# Altium PCB LightLink_V3.PcbDoc (part 4 of 4)
Units mm, origin at the board's own origin, x right, y up, seen from the top; angles counter-clockwise.
Board outline 142 x 100 mm, 6 copper layers (Top Layer, GND, PWR, BRIDGE_1, BRIDGE_2, Bottom Layer), stack 0.816 mm thick; 380 components, 269 nets, 1515 pads, 309 vias.
Unrouted connection lines stored in the file: 109.
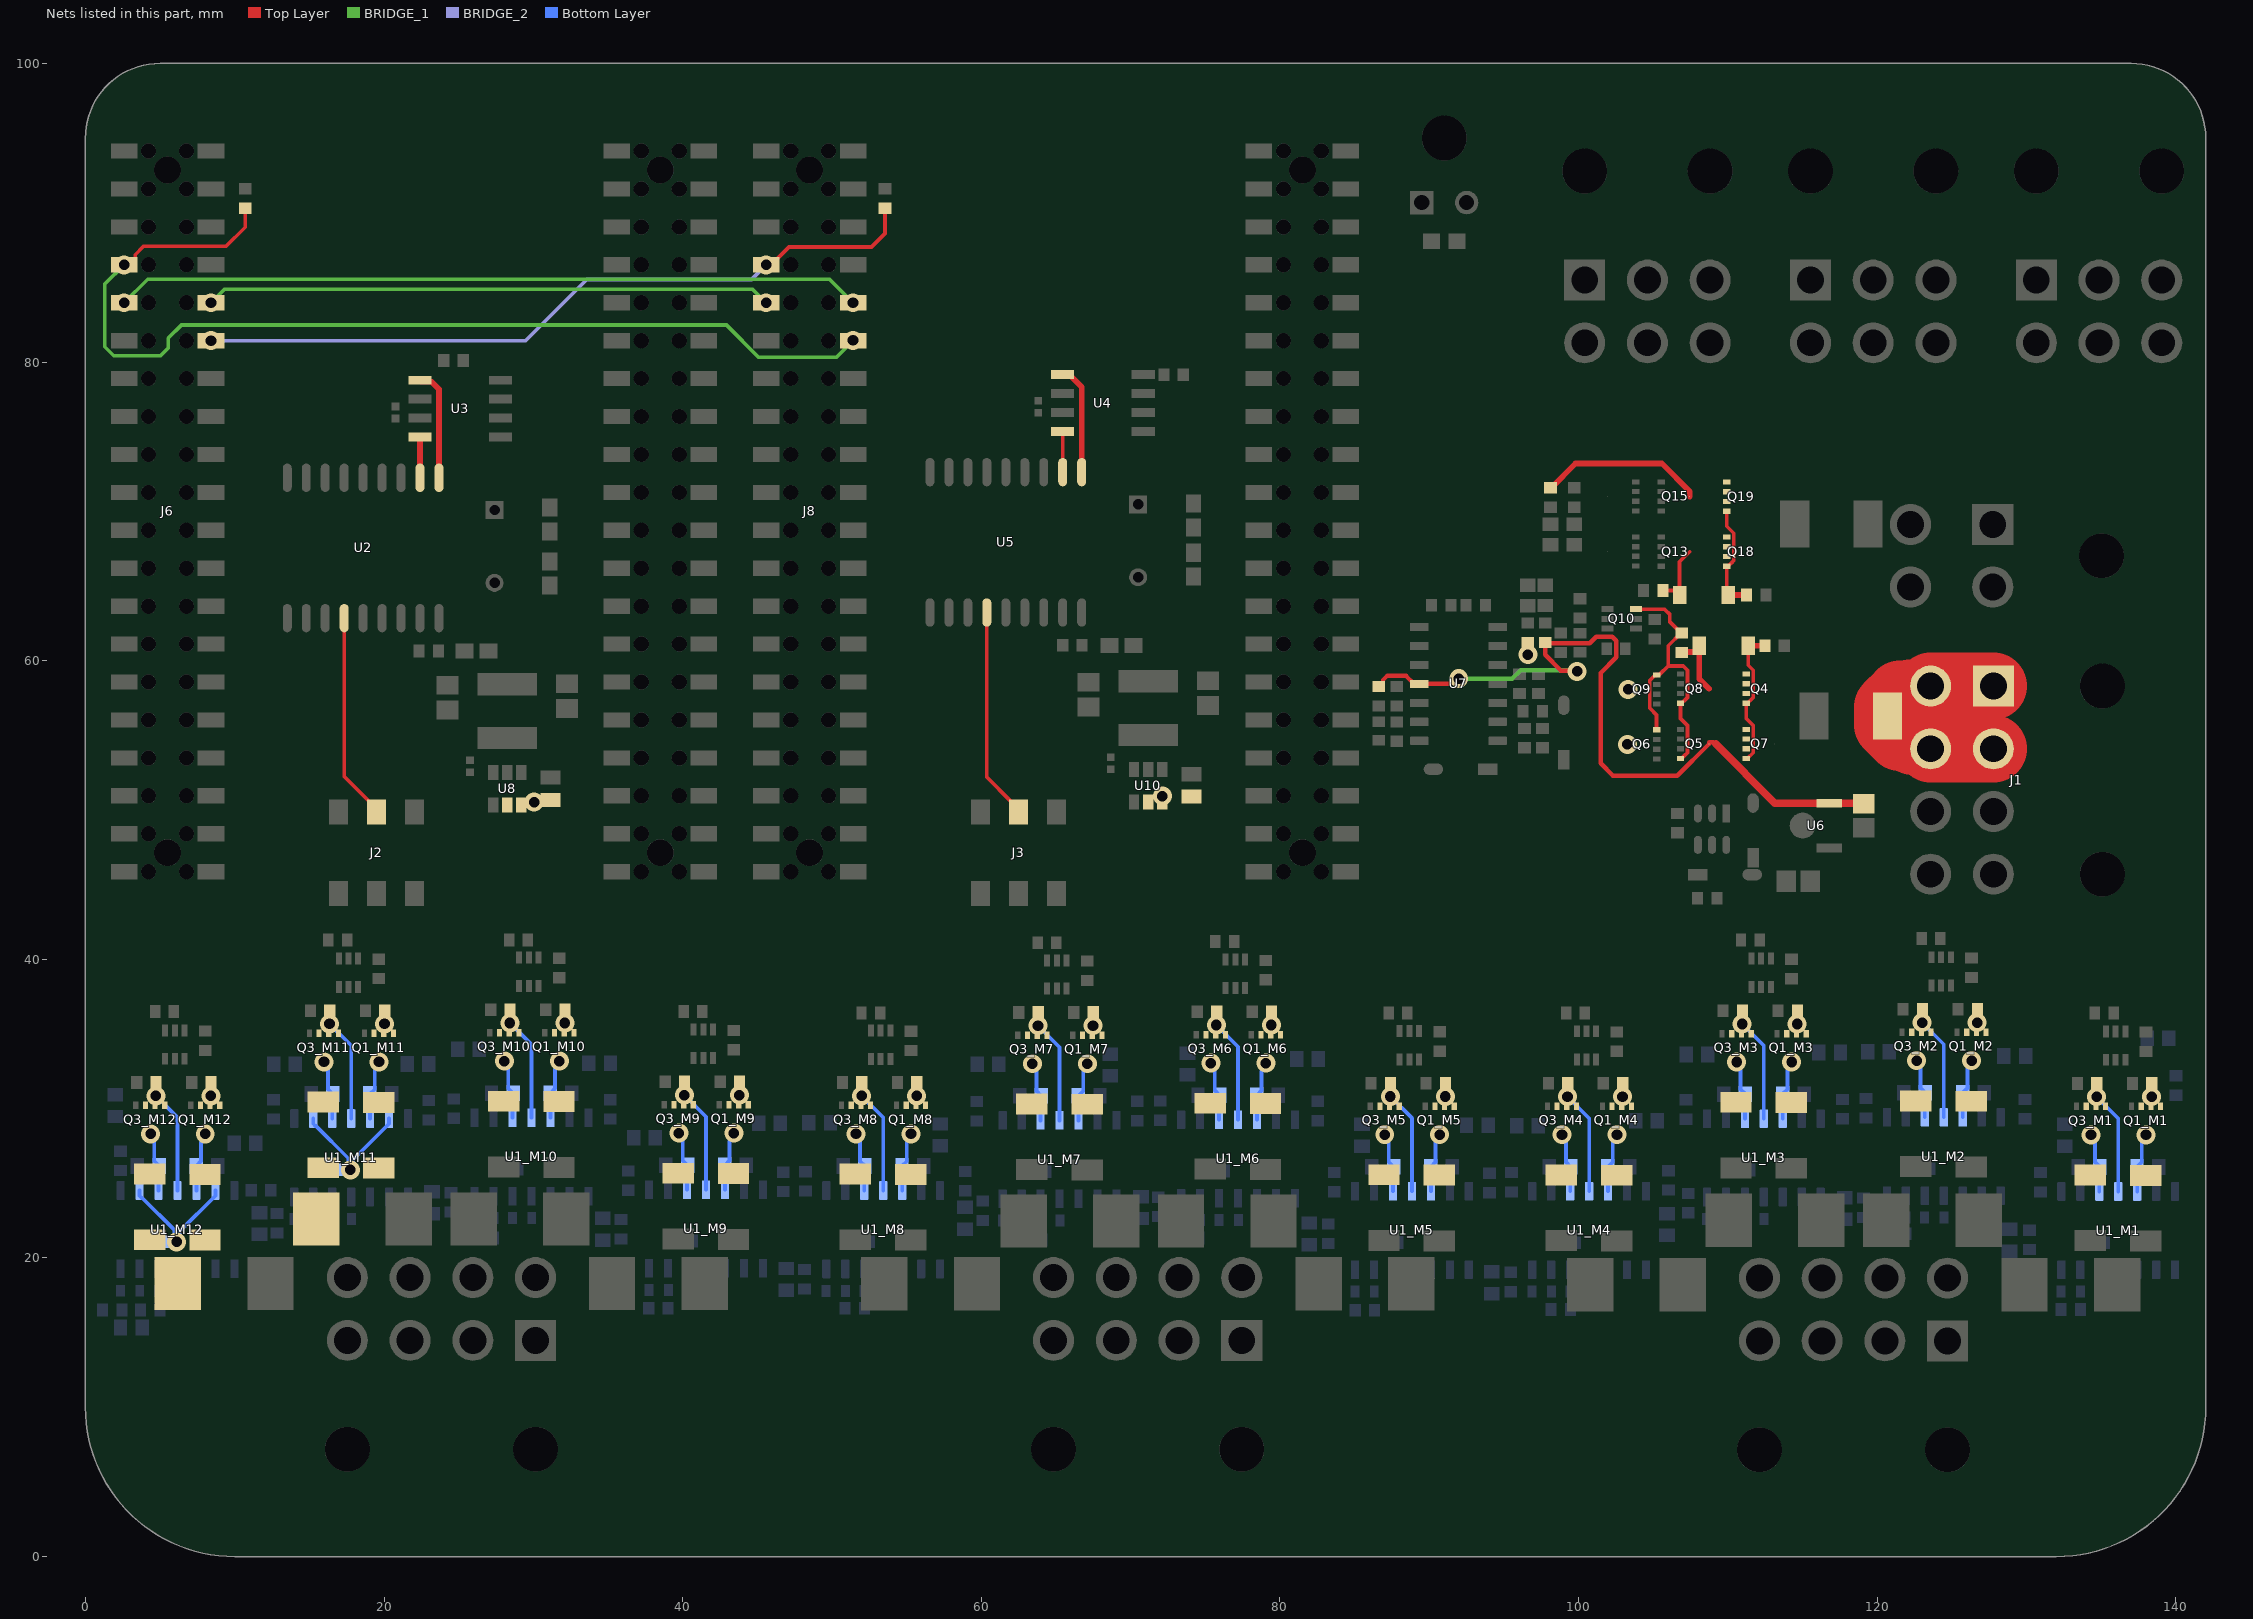
[diagram p8: the nets of this part, all layers, seen from the top]

## Via types
v1: diameter 1.27, hole 0.711, Top Layer to Bottom Layer, 305 vias
v2: diameter 4, hole 3.2, Top Layer to Bottom Layer, 4 vias

## Nets (pads, with @x,y where several pads share a name; then routed paths per layer and width w, separated by ;. In a path a pad name is that pad's centre, name@x,y a point inside that pad or via, vN(x,y) a via of type N, cw(c..) or ccw(c..) an arc to the next point about the centre after c; other vN are vias at no path point) (continued)
POST_SENSE_M11: D1_M11.1 D2_M11.1 R3_M11.2 R6_M11.1 U1_M11.2 U1_M11.6 | length 9
  Bottom Layer w0.254: U1_M11.2@15.259,29.336 15.259,28.986 15.407,28.838 15.443,28.838 17.601,26.68 17.601,26.045 v1(17.748,25.898) 17.943,26.092 17.943,26.589 20.339,28.986 U1_M11.6@20.339,29.336
POST_SENSE_M12: D1_M12.1 D2_M12.1 R3_M12.2 R6_M12.1 U1_M12.2 U1_M12.6 | length 9
  Bottom Layer w0.254: U1_M12.2@3.626,24.52 3.626,24.17 3.774,24.022 3.81,24.022 5.968,21.864 5.968,21.229 v1(6.115,21.082) 6.309,21.276 6.309,21.773 8.706,24.17 U1_M12.6@8.706,24.52
PRE_12V: D4.1 Q13.5-6-7-8 Q15.5-6-7-8 Q18.1 Q18.2 Q18.3 Q19.1 Q19.2 Q19.3 R40.1 R41.1 | length 15.5
  Top Layer w0.254: R40.1@105.65,64.7 106.465,64.7 D4.1@106.765,64.4 106.765,66.625 Q13.5-6-7-8@107.44,67.3
  Top Layer w0.381: R41.1@98.114,71.575 98.164,71.575 99.789,73.2 105.575,73.2 107.44,71.335 Q15.5-6-7-8@107.44,71
PRE_VCC: C6.1 D3.1 Q4.1 Q4.2 Q4.3 Q5.5-6-7-8 Q7.1 Q7.2 Q7.3 Q8.5-6-7-8 R21.1 R23.1 R32.2 U6.3 U7.4 | length 56.6
  Top Layer w0.3: R32.2@86.625,58.261 86.675,58.261 86.9,58.486 86.9,58.706 87.173,58.979 88.446,58.979 88.98,58.445 U7.4@89.33,58.445 91.355,58.445 91.711,58.801 v1(91.973,58.801) ; R23.1@97.759,61.22 R23.1@97.759,61.164 ; v1(99.898,59.284) 99.841,59.341 98.813,59.341 97.759,60.395 R23.1@97.759,61.164 ; Q5.5-6-7-8@108.735,54.425 106.61,52.3 102.3,52.3 101.475,53.125 101.475,59.175 102.525,60.225 102.525,61.325 102.25,61.6 101.175,61.6 100.739,61.164 R23.1@97.759,61.164 ; 108.75,54.55 109.012,54.55 109.304,54.259 ; C6.1@119.053,50.459 C6.1@119.101,50.412
  Top Layer w0.381: R21.1@106.9,60.55 106.93,60.58 107.825,60.58 D3.1@108.09,60.845 ; D3.1@108.09,61 D3.1@108.09,60.845 ; Q8.5-6-7-8@108.735,58.125 108.09,58.77 D3.1@108.09,60.845
  Top Layer w0.5: 109.176,54.425 113.142,50.459 U6.3@116.791,50.459 C6.1@119.053,50.459
  BRIDGE_1 w0.3: v1(91.973,58.801) 95.565,58.801 96.121,59.357 99.824,59.357 v1(99.898,59.284)
PWR_IN: F1.1 J1.1 J1.2 J1.5 J1.6 | length 16.6
  Top Layer w4.5: J1.2@127.777,54.1 J1.6@123.577,54.1 123.099,54.578 122.402,54.578 122.128,54.852 121.533,54.852 120.68,55.705 F1.1@120.68,56.3 120.68,56.895 121.533,57.748 122.128,57.748 122.202,57.822 123.099,57.822 J1.5@123.577,58.3 J1.1@127.777,58.3
PWR_MOSFET: Q5.4 Q6.4 Q8.4 Q9.4 Q10.6 R21.2 | length 19.7
  Top Layer w0.254: Q10.6@103.85,63.45 105.75,63.45 106.111,63.089 106.111,62.589 R21.2@106.85,61.85 ; Q6.4@105.225,55.371 105.225,56.37 104.759,56.836 104.759,58.664 105.097,59.002 105.177,59.002 Q9.4@105.225,59.05 ; Q9.4@105.225,59.098 105.448,59.098 106,59.65 ; Q5.4@106.825,53.45 106.9,53.45 107.128,53.678 107.133,53.678 107.291,53.836 107.291,55.664 106.825,56.13 Q8.4@106.825,57.15 106.9,57.15 107.128,57.378 107.133,57.378 107.291,57.536 107.291,59.364 107.005,59.65 106,59.65 ; R21.2@106.9,61.85 R21.2@106.85,61.85 ; 106,59.65 106,61 R21.2@106.85,61.85
RP_MOS_LINK: D3.2 Q4.4 Q7.4 R20.1 | length 9.5
  Top Layer w0.254: Q7.4@111.225,53.45 111.273,53.498 111.353,53.498 111.691,53.836 111.691,55.664 111.225,56.13 Q4.4@111.225,57.15 111.3,57.15 111.528,57.378 111.533,57.378 111.691,57.536 111.691,59.364 111.36,59.695 D3.2@111.36,61
  Top Layer w0.381: D3.2@111.36,61 R20.1@112.475,61
RP_MOS_LINK_12V: D4.2 Q18.4 Q19.4 R30.1 | length 7.3
  Top Layer w0.254: Q19.4@109.925,70.012 109.925,69.005 110.391,68.539 110.391,66.711 110.233,66.553 110.228,66.553 110,66.325 Q18.4@109.925,66.325 109.925,64.51 D4.2@110.035,64.4
  Top Layer w0.381: D4.2@110.035,64.4 R30.1@111.25,64.4
RST_1: J6.7 J8.12 R12.1 | length 69.6
  Top Layer w0.254: v1(2.59,86.51) 2.97,86.51 3.34,86.88 3.34,87.19 3.9,87.75 9.425,87.75 10.7,89.025 R12.1@10.7,90.3
  BRIDGE_1 w0.254: v1(2.59,86.51) 1.3,85.22 1.3,81.025 1.9,80.425 5.025,80.425 5.55,80.95 5.55,81.6 6.425,82.475 42.925,82.475 45.075,80.325 50.305,80.325 51.41,81.43 v1(51.41,81.458)
RST_2: J6.12 J8.7 R11.1 | length 49.9
  Top Layer w0.254: v1(45.59,86.51) J8.7@45.97,86.51 ; J8.7@45.935,86.51 J8.7@45.97,86.51 ; R11.1@53.55,90.3 53.55,88.6 52.65,87.7 47.125,87.7 46.353,86.928 46.353,86.893 J8.7@45.97,86.51
  BRIDGE_2 w0.254: v1(8.41,81.43) 29.48,81.43 33.575,85.525 44.605,85.525 v1(45.59,86.51)
RX: J6.10 J8.9 | length 37.9
  BRIDGE_1 w0.254: v1(8.41,83.97) 9.315,84.875 44.685,84.875 v1(45.59,83.97)
RXD_1: U2.2 U3.4 | length 2.7
  Top Layer w0.254: U3.4@22.4,74.97 U3.4@22.41,74.96
  Top Layer w0.381: U2.2@22.41,72.25 U3.4@22.41,74.96
RXD_2: U4.4 U5.2 | length 2.7
  Top Layer w0.254: U4.4@65.44,75.345 65.45,75.335 U5.2@65.45,72.625
SCK_1: J2.04 U2.13 | length 13.9
  Top Layer w0.254: U2.13@17.33,62.85 17.33,52.245 18.992,50.583 18.992,50.368 J2.04@19.5,49.86
SCK_2: J3.04 U5.13 | length 14.2
  Top Layer w0.254: U5.13@60.37,63.225 60.37,52.195 61.992,50.573 61.992,50.368 J3.04@62.5,49.86
SENSE_1_M1: D1_M1.2 Q1_M1.5-6-7-8 R37_M1.2 U1_M1.5 | length 4
  Bottom Layer w0.254: U1_M1.5@137.41,24.455 137.41,26.084 R37_M1.2@137.396,26.098 137.719,26.421 137.719,27.691 138.001,27.973 v1(138.001,28.248)
SENSE_1_M2: D1_M2.2 Q1_M2.5-6-7-8 R37_M2.2 U1_M2.5 | length 4
  Bottom Layer w0.254: U1_M2.5@125.726,29.417 125.726,31.046 R37_M2.2@125.712,31.059 126.035,31.382 126.035,32.652 126.317,32.934 v1(126.317,33.209)
SENSE_1_M3: D1_M3.2 Q1_M3.5-6-7-8 R37_M3.2 U1_M3.5 | length 4
  Bottom Layer w0.254: U1_M3.5@113.674,29.328 113.674,30.957 R37_M3.2@113.661,30.971 113.984,31.294 113.984,32.564 114.266,32.846 v1(114.266,33.121)
SENSE_1_M4: D1_M4.2 Q1_M4.5-6-7-8 R37_M4.2 U1_M4.5 | length 4
  Bottom Layer w0.254: U1_M4.5@101.977,24.464 101.977,26.093 R37_M4.2@101.963,26.106 102.286,26.429 102.286,27.699 102.568,27.981 v1(102.568,28.256)
SENSE_1_M5: D1_M5.2 Q1_M5.5-6-7-8 R37_M5.2 U1_M5.5 | length 4
  Bottom Layer w0.254: U1_M5.5@90.108,24.47 90.108,26.098 R37_M5.2@90.095,26.112 90.418,26.435 90.418,27.705 90.7,27.987 v1(90.7,28.262)
SENSE_1_M6: D1_M6.2 Q1_M6.5-6-7-8 R37_M6.2 U1_M6.5 | length 4
  Bottom Layer w0.254: U1_M6.5@78.463,29.257 78.463,30.885 R37_M6.2@78.449,30.899 78.772,31.222 78.772,32.492 79.054,32.774 v1(79.054,33.049)
SENSE_1_M7: D1_M7.2 Q1_M7.5-6-7-8 R37_M7.2 U1_M7.5 | length 4
  Bottom Layer w0.254: U1_M7.5@66.512,29.214 66.512,30.843 R37_M7.2@66.498,30.856 66.821,31.179 66.821,32.449 67.103,32.731 v1(67.103,33.006)
SENSE_1_M8: D1_M8.2 Q1_M8.5-6-7-8 R37_M8.2 U1_M8.5 | length 4
  Bottom Layer w0.254: U1_M8.5@54.701,24.515 54.701,26.144 R37_M8.2@54.687,26.157 55.01,26.48 55.01,27.75 55.292,28.032 v1(55.292,28.307)
SENSE_1_M9: D1_M9.2 Q1_M9.5-6-7-8 R37_M9.2 U1_M9.5 | length 4
  Bottom Layer w0.254: U1_M9.5@42.831,24.568 42.831,26.196 R37_M9.2@42.817,26.21 43.141,26.533 43.141,27.803 43.422,28.085 v1(43.422,28.36)
SENSE_1_M10: D1_M10.2 Q1_M10.5-6-7-8 R37_M10.2 U1_M10.5 | length 4
  Bottom Layer w0.254: U1_M10.5@31.147,29.394 31.147,31.022 R37_M10.2@31.133,31.036 31.457,31.359 31.457,32.629 31.738,32.911 v1(31.738,33.186)
SENSE_1_M11: D1_M11.2 Q1_M11.5-6-7-8 R37_M11.2 U1_M11.5 | length 4
  Bottom Layer w0.254: U1_M11.5@19.069,29.336 19.069,30.964 R37_M11.2@19.055,30.978 19.378,31.301 19.378,32.571 19.66,32.853 v1(19.66,33.128)
SENSE_1_M12: D1_M12.2 Q1_M12.5-6-7-8 R37_M12.2 U1_M12.5 | length 4
  Bottom Layer w0.254: U1_M12.5@7.436,24.52 7.436,26.148 R37_M12.2@7.422,26.162 7.745,26.485 7.745,27.755 8.027,28.037 v1(8.027,28.312)
SENSE_2_M1: D2_M1.2 Q3_M1.5-6-7-8 R36_M1.2 U1_M1.3 | length 4.1
  Bottom Layer w0.254: v1(134.318,28.248) 134.318,27.973 134.586,27.705 134.586,26.421 R36_M1.2@134.909,26.098 134.87,26.058 U1_M1.3@134.87,24.455
SENSE_2_M2: D2_M2.2 Q3_M2.5-6-7-8 R36_M2.2 U1_M2.3 | length 4.1
  Bottom Layer w0.254: v1(122.634,33.209) 122.634,32.934 122.902,32.666 122.902,31.382 R36_M2.2@123.225,31.059 123.186,31.02 U1_M2.3@123.186,29.417
SENSE_2_M3: D2_M3.2 Q3_M3.5-6-7-8 R36_M3.2 U1_M3.3 | length 4.1
  Bottom Layer w0.254: v1(110.583,33.121) 110.583,32.846 110.851,32.578 110.851,31.294 R36_M3.2@111.174,30.971 111.134,30.931 U1_M3.3@111.134,29.328
SENSE_2_M4: D2_M4.2 Q3_M4.5-6-7-8 R36_M4.2 U1_M4.3 | length 4.1
  Bottom Layer w0.254: v1(98.885,28.256) 98.885,27.981 99.153,27.713 99.153,26.429 R36_M4.2@99.476,26.106 99.437,26.067 U1_M4.3@99.437,24.464
SENSE_2_M5: D2_M5.2 Q3_M5.5-6-7-8 R36_M5.2 U1_M5.3 | length 4.1
  Bottom Layer w0.254: v1(87.017,28.262) 87.017,27.987 87.285,27.719 87.285,26.435 R36_M5.2@87.608,26.112 87.568,26.073 U1_M5.3@87.568,24.47
SENSE_2_M6: D2_M6.2 Q3_M6.5-6-7-8 R36_M6.2 U1_M6.3 | length 4.1
  Bottom Layer w0.254: v1(75.371,33.049) 75.371,32.774 75.639,32.506 75.639,31.222 R36_M6.2@75.962,30.899 75.923,30.86 U1_M6.3@75.923,29.257
SENSE_2_M7: D2_M7.2 Q3_M7.5-6-7-8 R36_M7.2 U1_M7.3 | length 4.1
  Bottom Layer w0.254: v1(63.42,33.006) 63.42,32.731 63.688,32.463 63.688,31.179 R36_M7.2@64.011,30.856 63.972,30.817 U1_M7.3@63.972,29.214
SENSE_2_M8: D2_M8.2 Q3_M8.5-6-7-8 R36_M8.2 U1_M8.3 | length 4.1
  Bottom Layer w0.254: v1(51.609,28.307) 51.609,28.032 51.877,27.764 51.877,26.48 R36_M8.2@52.2,26.157 52.161,26.118 U1_M8.3@52.161,24.515
SENSE_2_M9: D2_M9.2 Q3_M9.5-6-7-8 R36_M9.2 U1_M9.3 | length 4.1
  Bottom Layer w0.254: v1(39.739,28.36) 39.739,28.085 40.007,27.817 40.007,26.533 R36_M9.2@40.33,26.21 40.291,26.171 U1_M9.3@40.291,24.568
SENSE_2_M10: D2_M10.2 Q3_M10.5-6-7-8 R36_M10.2 U1_M10.3 | length 4.1
  Bottom Layer w0.254: v1(28.055,33.186) 28.055,32.911 28.323,32.643 28.323,31.359 R36_M10.2@28.646,31.036 28.607,30.997 U1_M10.3@28.607,29.394
SENSE_2_M11: D2_M11.2 Q3_M11.5-6-7-8 R36_M11.2 U1_M11.3 | length 4.1
  Bottom Layer w0.254: v1(15.977,33.128) 15.977,32.853 16.245,32.585 16.245,31.301 R36_M11.2@16.568,30.978 16.529,30.939 U1_M11.3@16.529,29.336
SENSE_2_M12: D2_M12.2 Q3_M12.5-6-7-8 R36_M12.2 U1_M12.3 | length 4
  Bottom Layer w0.254: v1(4.374,28.312) 4.374,28.037 4.612,27.799 4.612,26.485 R36_M12.2@4.935,26.162 4.896,26.123 U1_M12.3@4.896,24.52
TX: J6.9 J8.10 | length 50.1
  BRIDGE_1 w0.254: v1(2.59,83.97) 4.17,85.55 49.83,85.55 v1(51.41,83.97)
TXD_1: U2.1 U3.1 | length 7.5
  Top Layer w0.381: U3.1@22.4,78.78 22.51,78.671 23.19,78.671 23.68,78.18 U2.1@23.68,72.25
TXD_2: U4.1 U5.1 | length 7.3
  Top Layer w0.381: U4.1@65.44,79.155 65.915,79.155 66.024,79.045 66.024,79.026 66.72,78.33 U5.1@66.72,72.625
VCC: C12.1 C17.1 Q1_M1.1 Q1_M1.2 Q1_M1.3 Q1_M2.1 Q1_M2.2 Q1_M2.3 Q1_M3.1 Q1_M3.2 Q1_M3.3 Q1_M4.1 Q1_M4.2 Q1_M4.3 Q1_M5.1 Q1_M5.2 Q1_M5.3 Q1_M6.1 Q1_M6.2 Q1_M6.3 Q1_M7.1 Q1_M7.2 Q1_M7.3 Q1_M8.1 Q1_M8.2 Q1_M8.3 Q1_M9.1 Q1_M9.2 Q1_M9.3 Q1_M10.1 Q1_M10.2 Q1_M10.3 Q1_M11.1 Q1_M11.2 Q1_M11.3 Q1_M12.1 Q1_M12.2 Q1_M12.3 Q3_M1.1 Q3_M1.2 Q3_M1.3 Q3_M2.1 Q3_M2.2 Q3_M2.3 Q3_M3.1 Q3_M3.2 Q3_M3.3 Q3_M4.1 Q3_M4.2 Q3_M4.3 Q3_M5.1 Q3_M5.2 Q3_M5.3 Q3_M6.1 Q3_M6.2 Q3_M6.3 Q3_M7.1 Q3_M7.2 Q3_M7.3 Q3_M8.1 Q3_M8.2 Q3_M8.3 Q3_M9.1 Q3_M9.2 Q3_M9.3 Q3_M10.1 Q3_M10.2 Q3_M10.3 Q3_M11.1 Q3_M11.2 Q3_M11.3 Q3_M12.1 Q3_M12.2 Q3_M12.3 Q6.5-6-7-8 Q9.5-6-7-8 R7_M1.2 R7_M2.2 R7_M3.2 R7_M4.2 R7_M5.2 R7_M6.2 R7_M7.2 R7_M8.2 R7_M9.2 R7_M10.2 R7_M11.2 R7_M12.2 R8_M1.2 R8_M2.2 R8_M3.2 R8_M4.2 R8_M5.2 R8_M6.2 R8_M7.2 R8_M8.2 R8_M9.2 R8_M10.2 R8_M11.2 R8_M12.2 R24.1 U1_M1.4 U1_M2.4 U1_M3.4 U1_M4.4 U1_M5.4 U1_M6.4 U1_M7.4 U1_M8.4 U1_M9.4 U1_M10.4 U1_M11.4 U1_M12.4 U8.2 U8.3 U10.2 U10.3 | length 83.3
  Bottom Layer w0.254: v1(4.718,30.861) 6.166,29.413 U1_M12.4@6.166,24.52 ; v1(16.351,35.677) 17.799,34.229 U1_M11.4@17.799,29.336 ; v1(28.429,35.735) 29.877,34.287 U1_M10.4@29.877,29.394 ; v1(40.113,30.909) 41.561,29.461 U1_M9.4@41.561,24.568 ; v1(51.983,30.856) 53.431,29.409 U1_M8.4@53.431,24.515 ; v1(63.794,35.555) 65.242,34.108 U1_M7.4@65.242,29.214 ; v1(75.745,35.598) 77.193,34.15 U1_M6.4@77.193,29.257 ; v1(87.391,30.811) 88.838,29.363 U1_M5.4@88.838,24.47 ; v1(99.259,30.805) 100.707,29.358 U1_M4.4@100.707,24.464 ; v1(110.957,35.67) 112.404,34.222 U1_M3.4@112.404,29.328 ; v1(123.008,35.758) 124.456,34.311 U1_M2.4@124.456,29.417 ; v1(134.692,30.797) 136.14,29.349 U1_M1.4@136.14,24.455
  other v1: 138.375,30.797 91.074,30.811 102.942,30.805 8.401,30.861 55.666,30.856 43.796,30.909 67.477,35.555 79.428,35.598 114.64,35.67 20.034,35.677 32.112,35.735 126.691,35.758 30.05,50.525 72.125,50.925 103.265,54.396 103.315,58.075 96.596,60.401
pads on no net: J1. J2.06 J3.06 J4. J5. J6. J6.5 J6.6 J6.8 J7. J7.1 J7.2 J7.3 J7.4 J7.5 J7.6 J7.7 J7.8 J7.39 J8. J8.5 J8.6 J8.8 J9. J9.1 J9.2 J9.3 J9.4 J9.5 J9.6 J9.7 J9.8 J9.39 J10. J11. J12. J13. J14. J15. U1_M1.8 U1_M1.9 U1_M1.10 U1_M2.8 U1_M2.9 U1_M2.10 U1_M3.8 U1_M3.9 U1_M3.10 U1_M4.8 U1_M4.9 U1_M4.10 U1_M5.8 U1_M5.9 U1_M5.10 U1_M6.8 U1_M6.9 U1_M6.10 U1_M7.8 U1_M7.9 U1_M7.10 U1_M8.8 U1_M8.9 U1_M8.10 U1_M9.8 U1_M9.9 U1_M9.10 U1_M10.8 U1_M10.9 U1_M10.10 U1_M11.8 U1_M11.9 U1_M11.10 U1_M12.8 U1_M12.9 U1_M12.10 U2.3 U2.4 U2.5 U2.6 U2.10 U2.11 U2.12 U3.5 U4.5 U5.3 U5.4 U5.5 U5.6 U5.10 U5.11 U5.12 U9.5

## Polygon pours and split planes (outlines as drawn)
GND on Top Layer "GND_L01_P090" (solid, pour order 90): 0,10 0,95 cw(c5,95) 5,100 137,100 cw(c137,95) 142,95 142,10 cw(c132,10) 132,0 10,0 cw(c10,10)
SENSE_1_M5 on Top Layer "SENSE_1_M5_L01_P048" (solid, pour order 48): 89.475,29.402 89.095,28.987 89.095,28.557 89.629,24.847 91.729,24.847 92.305,28.557 92.305,28.987 91.925,29.402
SENSE_2_M10 on Top Layer "SENSE_2_M10_L01_P031" (solid, pour order 31): 29.28,34.326 29.66,33.911 29.66,33.481 29.06,29.797 26.96,29.797 26.45,33.481 26.45,33.946 26.831,34.326
SENSE_1_M11 on Top Layer "SENSE_1_M11_L01_P041" (solid, pour order 41): 18.435,34.268 18.055,33.853 18.055,33.423 18.59,29.713 20.69,29.713 21.265,33.423 21.265,33.853 20.885,34.268
SENSE_2_M11 on Top Layer "SENSE_2_M11_L01_P029" (solid, pour order 29): 17.202,34.268 17.582,33.853 17.582,33.423 16.982,29.739 14.881,29.739 14.372,33.423 14.372,33.888 14.752,34.268
SENSE_2_M12 on Top Layer "SENSE_2_M12_L01_P030" (solid, pour order 30): 5.569,29.452 5.949,29.037 5.949,28.607 5.348,24.923 3.248,24.923 2.739,28.607 2.739,29.072 3.119,29.452
SENSE_1_M1 on Top Layer "SENSE_1_M1_L01_P052" (solid, pour order 52): 136.776,29.388 136.396,28.973 136.396,28.543 136.931,24.833 139.031,24.833 139.606,28.543 139.606,28.973 139.226,29.388
POST_SENSE_M8 on Top Layer "POST_SENSE_M8_L01_P058" (solid, pour order 58): 50.513,21.918 50.513,20.493 51.633,16.408 55.203,16.408 56.322,20.493 56.322,21.893
POST_SENSE_M9 on Top Layer "POST_SENSE_M9_L01_P054" (solid, pour order 54): 38.644,21.971 38.644,20.545 39.763,16.461 43.333,16.461 44.452,20.545 44.452,21.945
POST_SENSE_M4 on Top Layer "POST_SENSE_M4_L01_P059" (solid, pour order 59): 97.789,21.867 97.789,20.442 98.909,16.357 102.479,16.357 103.598,20.442 103.598,21.842
BST_TAP_1 on Top Layer "BST_TAP_1_L01_P065" (solid, pour order 65): 27.9,52.025 27.9,53.025 26.25,54.075 26.25,55.575 30.25,55.575 30.25,54.075 28.6,53.025 28.6,52.025
VCC on Top Layer "VCC_L01_P066" (solid, pour order 66): 31.825,51.15 30.475,51.15 27.9,50.826 27.9,49.826 29.55,49.826 31.825,50.2
5V_1 on Top Layer "5V_1_L01_P067" (solid, pour order 67): 31.522,57.823 30.25,57.675 26.25,57.675 24.978,57.723 23.522,57.723 23.522,58.978 24.978,58.978 26.25,59.175 30.25,59.175 31.522,59.078 32.978,59.078 32.978,57.823
NetQ15_1 on Top Layer "NETQ15_1_L01_P080" (solid, pour order 80): 103.58,71.5 103.58,69.85 104.08,69.85 105.28,70.5 105.78,70.5 105.78,72.15 105.28,72.15 104.08,71.5
NetQ13_1 on Top Layer "NETQ13_1_L01_P079" (solid, pour order 79): 103.58,67.813 103.58,66.163 104.08,66.163 105.28,66.8 105.78,66.8 105.78,68.45 105.28,68.45 104.08,67.813
NetQ5_1 on Top Layer "NETQ5_1_L01_P078" (solid, pour order 78): 104.975,54.896 105.425,54.896 106.575,55.575 107.075,55.575 107.075,53.925 106.575,53.925 105.425,53.246 104.975,53.246
NetQ8_1 on Top Layer "NETQ8_1_L01_P077" (solid, pour order 77): 104.975,58.575 105.475,58.575 106.575,59.275 107.075,59.275 107.075,57.625 106.575,57.625 105.475,56.925 104.975,56.925
NetF2_2 on Top Layer "NETF2_2_L01_P076" (solid, pour order 76): 115.45,70.725 115.45,67.575 112.95,65.67 111.11,65.67 110.73,66.05 110.695,66.05 110.695,72.2 110.73,72.2 111.11,72.58 112.95,72.58
PRE_12V on Top Layer "PRE_12V_L01_P075" (solid, pour order 75): 106.3,72.225 109.08,72.225 110.18,72.15 110.18,70.5 109.68,70.5 109.68,68.45 110.18,68.45 110.18,66.8 109.68,66.8 109.08,66.075 106.3,66.075
PRE_VCC on Top Layer "PRE_VCC_L01_P074" (solid, pour order 74): 107.595,59.35 110.375,59.35 111.475,59.275 111.475,57.625 110.975,57.625 110.975,55.575 111.475,55.575 111.475,53.925 110.975,53.925 110.375,53.2 107.595,53.2
NetF1_2 on Top Layer "NETF1_2_L01_P071" (solid, pour order 71): 116.75,57.875 116.75,54.725 114.25,52.82 112.41,52.82 112.03,53.2 111.995,53.2 111.995,59.35 112.03,59.35 112.41,59.73 114.25,59.73
VCC on Top Layer "VCC_L01_P070" (solid, pour order 70): 74.758,51.375 73.408,51.375 70.825,51.024 70.825,50.025 72.475,50.025 74.758,50.425
BST_TAP_2 on Top Layer "BST_TAP_2_L01_P069" (solid, pour order 69): 70.825,52.224 70.825,53.224 69.175,54.275 69.175,55.775 73.175,55.775 73.175,54.275 71.525,53.224 71.525,52.224
5V_2 on Top Layer "5V_2_L01_P068" (solid, pour order 68): 74.447,58.023 73.175,57.875 69.175,57.875 67.903,57.923 66.447,57.923 66.447,59.178 67.903,59.178 69.175,59.375 73.175,59.375 74.447,59.278 75.903,59.278 75.903,58.023
POST_SENSE_M11 on Top Layer "POST_SENSE_M11_L01_P064" (solid, pour order 64): 14.881,26.739 13.911,24.391 13.911,20.821 17.011,20.821 20.69,25.313 20.69,26.713
POST_SENSE_M10 on Top Layer "POST_SENSE_M10_L01_P063" (solid, pour order 63): 26.96,26.797 26.96,25.371 30.652,20.821 33.752,20.821 33.752,24.391 32.768,26.771
VCC on Top Layer "VCC_L01_P016" (solid, pour order 16): 134.332,32.111 133.818,30.408 133.818,29.908 135.468,29.908 135.468,30.408 135.082,32.111
VCC on Top Layer "VCC_L01_P015" (solid, pour order 15): 122.648,37.072 122.134,35.369 122.134,34.869 123.784,34.869 123.784,35.369 123.398,37.072
VCC on Top Layer "VCC_L01_P014" (solid, pour order 14): 110.597,36.984 110.083,35.281 110.083,34.781 111.733,34.781 111.733,35.281 111.347,36.984
VCC on Top Layer "VCC_L01_P013" (solid, pour order 13): 98.899,32.119 98.385,30.416 98.385,29.916 100.035,29.916 100.035,30.416 99.649,32.119
VCC on Top Layer "VCC_L01_P012" (solid, pour order 12): 51.623,32.17 51.109,30.467 51.109,29.967 52.759,29.967 52.759,30.467 52.373,32.17
VCC on Top Layer "VCC_L01_P011" (solid, pour order 11): 75.385,36.912 74.871,35.209 74.871,34.709 76.521,34.709 76.521,35.209 76.135,36.912
VCC on Top Layer "VCC_L01_P010" (solid, pour order 10): 87.031,32.125 86.517,30.422 86.517,29.922 88.167,29.922 88.167,30.422 87.781,32.125
VCC on Top Layer "VCC_L01_P009" (solid, pour order 9): 63.434,36.869 62.92,35.166 62.92,34.666 64.57,34.666 64.57,35.166 64.184,36.869
VCC on Top Layer "VCC_L01_P008" (solid, pour order 8): 39.753,32.223 39.239,30.52 39.239,30.02 40.889,30.02 40.889,30.52 40.503,32.223
VCC on Top Layer "VCC_L01_P007" (solid, pour order 7): 28.069,37.049 27.555,35.346 27.555,34.846 29.205,34.846 29.205,35.346 28.819,37.049
VCC on Top Layer "VCC_L01_P006" (solid, pour order 6): 4.358,32.175 3.844,30.472 3.844,29.972 5.494,29.972 5.494,30.472 5.108,32.175
VCC on Top Layer "VCC_L01_P005" (solid, pour order 5): 15.991,36.991 15.477,35.288 15.477,34.788 17.127,34.788 17.127,35.288 16.741,36.991
VCC on Top Layer "VCC_L01_P028" (solid, pour order 28): 139.151,30.408 139.151,29.908 137.501,29.908 137.501,30.408 138.015,32.111 138.765,32.111
VCC on Top Layer "VCC_L01_P027" (solid, pour order 27): 127.467,35.369 127.467,34.869 125.817,34.869 125.817,35.369 126.331,37.072 127.081,37.072
VCC on Top Layer "VCC_L01_P026" (solid, pour order 26): 115.416,35.281 115.416,34.781 113.766,34.781 113.766,35.281 114.28,36.984 115.03,36.984
VCC on Top Layer "VCC_L01_P025" (solid, pour order 25): 103.718,30.416 103.718,29.916 102.068,29.916 102.068,30.416 102.582,32.119 103.332,32.119
VCC on Top Layer "VCC_L01_P024" (solid, pour order 24): 80.204,35.209 80.204,34.709 78.554,34.709 78.554,35.209 79.068,36.912 79.818,36.912
VCC on Top Layer "VCC_L01_P023" (solid, pour order 23): 56.442,30.467 56.442,29.967 54.792,29.967 54.792,30.467 55.306,32.17 56.056,32.17
VCC on Top Layer "VCC_L01_P022" (solid, pour order 22): 91.85,30.422 91.85,29.922 90.2,29.922 90.2,30.422 90.714,32.125 91.464,32.125
VCC on Top Layer "VCC_L01_P021" (solid, pour order 21): 68.253,35.166 68.253,34.666 66.603,34.666 66.603,35.166 67.117,36.869 67.867,36.869
VCC on Top Layer "VCC_L01_P020" (solid, pour order 20): 44.572,30.52 44.572,30.02 42.922,30.02 42.922,30.52 43.436,32.223 44.186,32.223
VCC on Top Layer "VCC_L01_P019" (solid, pour order 19): 32.888,35.346 32.888,34.846 31.238,34.846 31.238,35.346 31.752,37.049 32.502,37.049
VCC on Top Layer "VCC_L01_P018" (solid, pour order 18): 9.177,30.472 9.177,29.972 7.527,29.972 7.527,30.472 8.041,32.175 8.791,32.175
VCC on Top Layer "VCC_L01_P017" (solid, pour order 17): 20.81,35.288 20.81,34.788 19.16,34.788 19.16,35.288 19.674,36.991 20.424,36.991
SENSE_2_M1 on Top Layer "SENSE_2_M1_L01_P040" (solid, pour order 40): 135.543,29.388 135.923,28.973 135.923,28.543 135.323,24.858 133.222,24.858 132.713,28.543 132.713,29.008 133.093,29.388
SENSE_2_M2 on Top Layer "SENSE_2_M2_L01_P039" (solid, pour order 39): 123.859,34.349 124.239,33.934 124.239,33.504 123.639,29.82 121.538,29.82 121.029,33.504 121.029,33.969 121.409,34.349
SENSE_2_M3 on Top Layer "SENSE_2_M3_L01_P038" (solid, pour order 38): 111.808,34.261 112.188,33.846 112.188,33.416 111.587,29.731 109.487,29.731 108.978,33.416 108.978,33.881 109.358,34.261
SENSE_2_M4 on Top Layer "SENSE_2_M4_L01_P037" (solid, pour order 37): 100.11,29.396 100.49,28.981 100.49,28.551 99.89,24.867 97.789,24.867 97.28,28.551 97.28,29.016 97.66,29.396
SENSE_2_M8 on Top Layer "SENSE_2_M8_L01_P036" (solid, pour order 36): 52.834,29.447 53.214,29.032 53.214,28.602 52.613,24.918 50.513,24.918 50.004,28.602 50.004,29.067 50.384,29.447
SENSE_2_M5 on Top Layer "SENSE_2_M5_L01_P035" (solid, pour order 35): 88.242,29.402 88.622,28.987 88.622,28.557 88.021,24.873 85.921,24.873 85.412,28.557 85.412,29.022 85.792,29.402
SENSE_2_M6 on Top Layer "SENSE_2_M6_L01_P034" (solid, pour order 34): 76.596,34.189 76.976,33.774 76.976,33.344 76.376,29.66 74.276,29.66 73.766,33.344 73.766,33.809 74.146,34.189
SENSE_2_M7 on Top Layer "SENSE_2_M7_L01_P033" (solid, pour order 33): 64.645,34.146 65.025,33.731 65.025,33.301 64.424,29.617 62.324,29.617 61.815,33.301 61.815,33.766 62.195,34.146
SENSE_2_M9 on Top Layer "SENSE_2_M9_L01_P032" (solid, pour order 32): 40.964,29.5 41.344,29.085 41.344,28.655 40.744,24.971 38.644,24.971 38.134,28.655 38.134,29.12 38.515,29.5
SENSE_1_M2 on Top Layer "SENSE_1_M2_L01_P051" (solid, pour order 51): 125.092,34.349 124.712,33.934 124.712,33.504 125.247,29.795 127.347,29.795 127.922,33.504 127.922,33.934 127.542,34.349
SENSE_1_M3 on Top Layer "SENSE_1_M3_L01_P050" (solid, pour order 50): 113.041,34.261 112.661,33.846 112.661,33.416 113.195,29.706 115.295,29.706 115.871,33.416 115.871,33.846 115.491,34.261
SENSE_1_M4 on Top Layer "SENSE_1_M4_L01_P049" (solid, pour order 49): 101.343,29.396 100.963,28.981 100.963,28.551 101.498,24.842 103.598,24.842 104.173,28.551 104.173,28.981 103.793,29.396
SENSE_1_M8 on Top Layer "SENSE_1_M8_L01_P047" (solid, pour order 47): 54.067,29.447 53.687,29.032 53.687,28.602 54.222,24.893 56.322,24.893 56.897,28.602 56.897,29.032 56.517,29.447
SENSE_1_M6 on Top Layer "SENSE_1_M6_L01_P046" (solid, pour order 46): 77.829,34.189 77.449,33.774 77.449,33.344 77.984,29.634 80.084,29.634 80.659,33.344 80.659,33.774 80.279,34.189
SENSE_1_M7 on Top Layer "SENSE_1_M7_L01_P045" (solid, pour order 45): 65.878,34.146 65.498,33.731 65.498,33.301 66.033,29.592 68.133,29.592 68.708,33.301 68.708,33.731 68.328,34.146
SENSE_1_M9 on Top Layer "SENSE_1_M9_L01_P044" (solid, pour order 44): 42.198,29.5 41.817,29.085 41.817,28.655 42.352,24.945 44.452,24.945 45.027,28.655 45.027,29.085 44.647,29.5
SENSE_1_M10 on Top Layer "SENSE_1_M10_L01_P043" (solid, pour order 43): 30.514,34.326 30.133,33.911 30.133,33.481 30.668,29.771 32.768,29.771 33.343,33.481 33.343,33.911 32.963,34.326
SENSE_1_M12 on Top Layer "SENSE_1_M12_L01_P042" (solid, pour order 42): 6.802,29.452 6.422,29.037 6.422,28.607 6.957,24.897 9.057,24.897 9.632,28.607 9.632,29.037 9.252,29.452
POST_SENSE_M1 on Top Layer "POST_SENSE_M1_L01_P062" (solid, pour order 62): 133.222,21.858 133.222,20.433 134.342,16.348 137.912,16.348 139.031,20.433 139.031,21.833
POST_SENSE_M2 on Top Layer "POST_SENSE_M2_L01_P061" (solid, pour order 61): 121.538,26.82 121.538,25.395 125.244,20.731 128.344,20.731 128.344,24.301 127.347,26.795
POST_SENSE_M3 on Top Layer "POST_SENSE_M3_L01_P060" (solid, pour order 60): 109.487,26.731 108.503,24.301 108.503,20.731 111.603,20.731 115.295,25.306 115.295,26.706
POST_SENSE_M6 on Top Layer "POST_SENSE_M6_L01_P057" (solid, pour order 57): 74.276,26.66 74.276,25.234 78.023,20.694 81.123,20.694 81.123,24.264 80.084,26.634
POST_SENSE_M5 on Top Layer "POST_SENSE_M5_L01_P056" (solid, pour order 56): 85.921,21.873 85.921,20.447 87.04,16.363 90.61,16.363 91.729,20.447 91.729,21.847
POST_SENSE_M7 on Top Layer "POST_SENSE_M7_L01_P055" (solid, pour order 55): 62.324,26.617 61.282,24.264 61.282,20.694 64.382,20.694 68.133,25.192 68.133,26.592
POST_SENSE_M12 on Top Layer "POST_SENSE_M12_L01_P053" (solid, pour order 53): 3.248,21.923 3.248,20.497 4.367,16.413 7.938,16.413 9.057,20.497 9.057,21.897
VCC on PWR "VCC_L03_P089" (solid, pour order 89): 10,0 cw(c10,10) 0,10 0,57 86,57 86,62 142,62 142,10 cw(c132,10) 132,0
+12 on PWR "+12_L03_P088" (solid, pour order 88): 86,62 142,62 142,95 ccw(c137,95) 137,100 86,100
5V_2 on PWR "5V_2_L03_P087" (solid, pour order 87): 43.5,57 43.5,100 86,100 86,57
5V_1 on PWR "5V_1_L03_P086" (solid, pour order 86): 0,57 0,95 cw(c5,95) 5,100 43.5,100 43.5,57
GND on GND "GND_L02_P081" (solid, pour order 81): 0,10 0,95 cw(c5,95) 5,100 137,100 cw(c137,95) 142,95 142,10 cw(c132,10) 132,0 10,0 cw(c10,10)
GND on Bottom Layer "GND_L06_P091" (solid, pour order 91): 0,10 0,95 cw(c5,95) 5,100 137,100 cw(c137,95) 142,95 142,10 cw(c132,10) 132,0 10,0 cw(c10,10)

## Silkscreen, mask and mechanical layers (free items; w line width, h text height)
Top Overlay:
  drawing of 34 lines, arcs and shapes, not listed
  text "CAN" at 88.954,85.404 h1.52
  text "LightLink V1.0 /  / Designed by Serban / Reviewed by D!" at 52.124,84.099 h0.75
  text "^^^ ADDRESSABLE CHANNELS ^^^" at 98.654,77.454 h1.52
  text "LED PWR" at 130.647,72.504 h1.52
  text "+" at 121.754,70.6 h1.52
  text "-" at 121.704,62.042 h1.52
  text "+" at 123.054,59.8 h1.52
  text "-" at 123.054,42.692 h1.52
  text "MAIN PWR" at 129.654,40.554 h1.52
  text "<--  MOSFET  --> / <-- CHANNELS -->" at 35.153,4.8 h1.52
  text "<--  MOSFET  --> / <-- CHANNELS -->" at 82.849,4.788 h1.52
  text "JLCJLCJLCJLC" at 19.528,2.762 h0.75
Bottom Overlay:
  text "ADDRESSABLE CHANNELS" at 134.711,95.954 h1.52
  text "+12" at 102.312,88.154 h1.52
  text "1" at 104.862,88.154 h1.52
  text "+12" at 110.712,88.154 h1.52
  text "+12" at 117.434,88.154 h1.52
  text "3" at 119.984,88.154 h1.52
  text "+12" at 125.834,88.154 h1.52
  text "+12" at 132.556,88.154 h1.52
  text "5" at 135.106,88.154 h1.52
  text "+12" at 140.956,88.154 h1.52
  text "H" at 90.008,87.529 h1.52
  text "L" at 93.008,87.529 h1.52
  text "GND" at 102.439,76.929 h1.52
  text "2" at 105.116,76.929 h1.52
  text "GND" at 110.839,76.929 h1.52
  text "GND" at 117.561,76.929 h1.52
  text "4" at 120.238,76.929 h1.52
  text "GND" at 125.961,76.929 h1.52
  text "GND" at 132.683,76.929 h1.52
  text "6" at 135.36,76.929 h1.52
  text "GND" at 141.083,76.929 h1.52
  text "+12" at 120.019,68.359 h1.52
  text "+12" at 133.719,68.359 h1.52
  text "GND" at 120.146,64.168 h1.52
  text "GND" at 133.846,64.168 h1.52
  text "VCC" at 121.546,57.538 h1.52
  text "VCC" at 133.846,57.538 h1.52
  text "VCC" at 121.546,53.338 h1.52
  text "VCC" at 133.846,53.338 h1.52
  text "GND" at 121.546,49.138 h1.52
  text "GND" at 133.846,49.138 h1.52
  text "GND" at 121.546,44.938 h1.52
  text "GND" at 133.846,44.938 h1.52
  text "VCC" at 15.271,17.923 h1.52
  text "VCC" at 36.371,17.923 h1.52
  text "VCC" at 62.565,17.923 h1.52
  text "VCC" at 83.665,17.923 h1.52
  text "VCC" at 109.836,17.887 h1.52
  text "VCC" at 130.936,17.887 h1.52
  text "GND" at 15.271,13.723 h1.52
  text "GND" at 36.371,13.723 h1.52
  text "GND" at 62.565,13.723 h1.52
  text "GND" at 83.665,13.723 h1.52
  text "GND" at 109.836,13.687 h1.52
  text "GND" at 130.936,13.687 h1.52
  text "1" at 17.799,10.279 h1.52
  text "2" at 22.253,10.279 h1.52
  text "3" at 26.453,10.279 h1.52
  text "4" at 30.653,10.279 h1.52
  text "5" at 65.347,10.279 h1.52
  text "6" at 69.547,10.279 h1.52
  text "7" at 73.747,10.279 h1.52
  text "8" at 77.947,10.279 h1.52
  text "9" at 112.618,10.279 h1.52
  text "10" at 117.453,10.279 h1.52
  text "11" at 121.399,10.279 h1.52
  text "12" at 125.853,10.279 h1.52
  text "PWM / CAPABLE" at 126.789,5.699 h1
  text "<--  MOSFET  --> / <-- CHANNELS -->" at 59.847,4.8 h1.52
  text "<--  MOSFET  --> / <-- CHANNELS -->" at 107.547,4.8 h1.52
Mechanical 1:
  the board outline again, w0.1
Mechanical 2:
  lines w0.254: 0,10 0,57 ; 0,95 0,57 ; 5,100 43.5,100 ; 137,100 86,100 ; 142,10 142,62 ; 142,95 142,62 ; 0,57 43.5,57 ; 43.5,57 43.5,100 ; 43.5,57 86,57 86,62 ; 43.5,100 86,100 ; 86,62 142,62 ; 86,62 86,100